# KiCad board mist.kicad_pcb (continued)
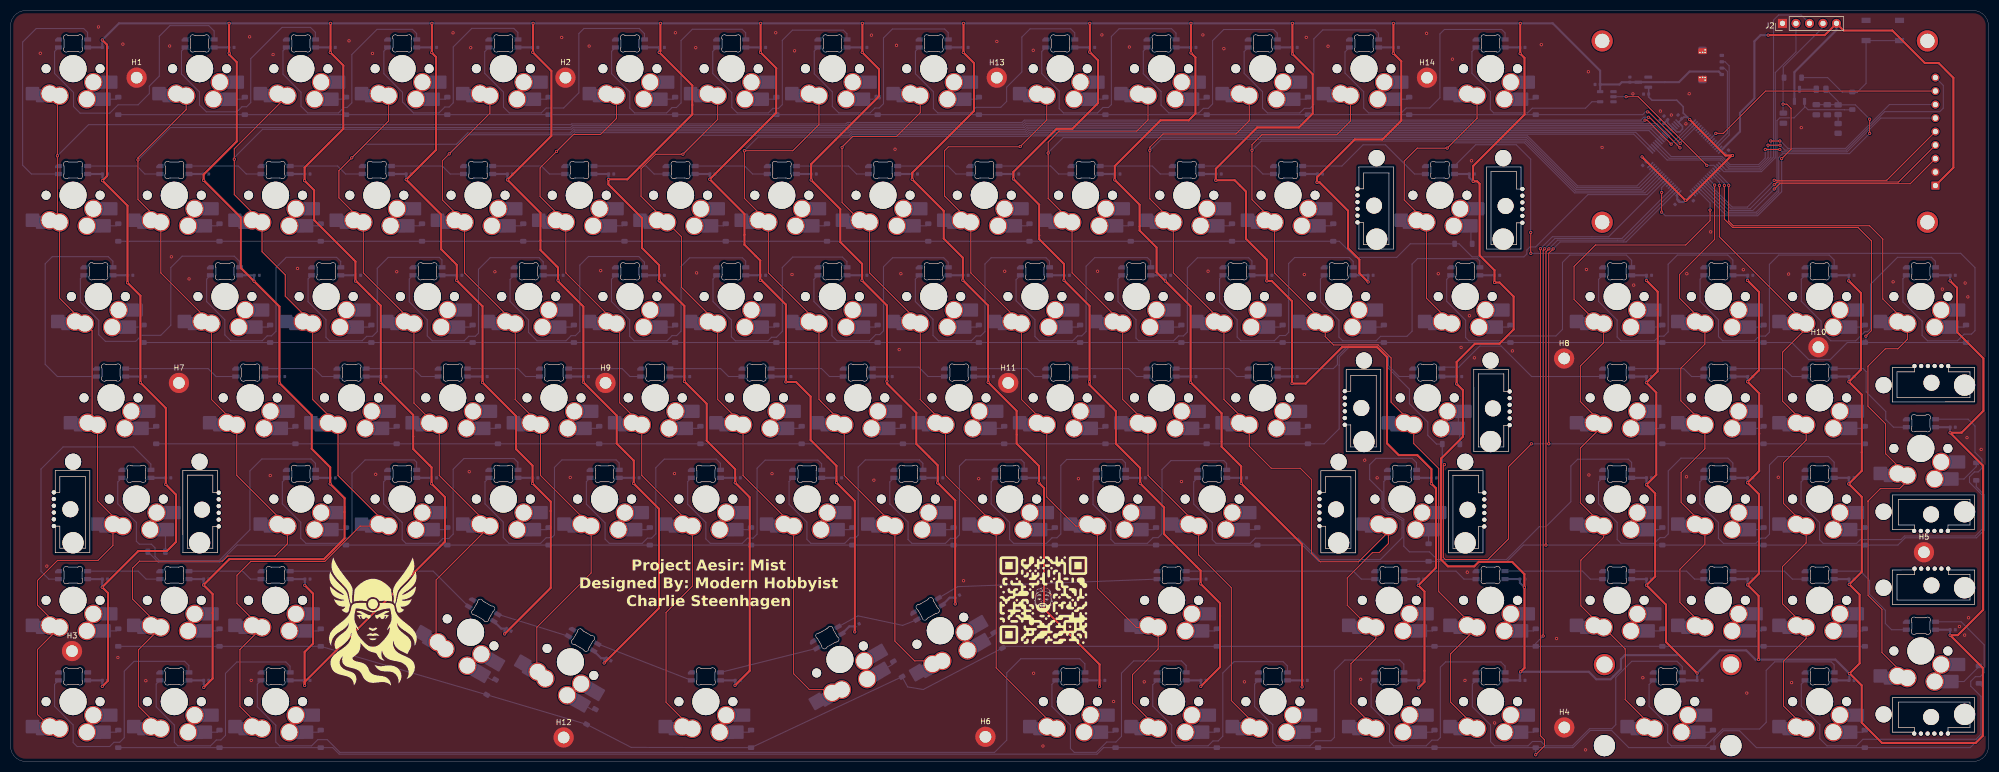
[diagram p0: board, top side]
## Placement (name value [footprint] x y rotation side) (continued)
LED93  choc_SK6812MINI-E  [LED_choc_6028R]  11.75 15.98 180 bottom
LED94  choc_SK6812MINI-E  [LED_choc_6028R]  30.8 15.98 180 bottom
LED95  choc_SK6812MINI-E  [LED_choc_6028R]  49.85 15.98 180 bottom
LED96  choc_SK6812MINI-E  [LED_choc_6028R]  199.39 15.98 180 bottom
LED97  choc_SK6812MINI-E  [LED_choc_6028R]  218.44 15.98 180 bottom
LED98  choc_SK6812MINI-E  [LED_choc_6028R]  237.49 15.98 180 bottom
LED99  choc_SK6812MINI-E  [LED_choc_6028R]  259.4 15.98 180 bottom
LED100  choc_SK6812MINI-E  [LED_choc_6028R]  278.45 15.98 180 bottom
LED101  choc_SK6812MINI-E  [LED_choc_6028R]  311.79 15.98 180 bottom
LED102  choc_SK6812MINI-E  [LED_choc_6028R]  340.36 15.98 180 bottom
LED103  choc_SK6812MINI-E  [LED_choc_6028R]  359.41 25.51 180 bottom
Q3  MMUN2133LT1G  [SOT-23-3]  336.57 125.29 90 bottom
R7  120  [R_0805_2012Metric]  340.64 126.42 0 bottom
R8  68k  [R_0805_2012Metric]  343.84 122.58 90 bottom
R9  68k  [R_0805_2012Metric]  343.84 119.06 270 bottom
RESET1  DFU  [SW_SPST_TL3342]  352.25 137.49 180 bottom
S1  MX_stab  [KS33_MX_STAB_COMBO]  266.54 68.39 0 top
S2  MX_stab  [KS33_MX_STAB_COMBO]  261.77 49.33 0 top
S3  MX_stab  [KS33_MX_STAB_COMBO]  23.65 49.35 0 top
S4  MX_stab  [KS33_MX_STAB_COMBO]  268.93 106.47 0 top
S5  MX_stab  [STAB_MX_P_2.75u]  311.78 11.22 0 top
S6  MX_stab  [KS33_MX_STAB_COMBO]  359.4 58.86 90 top
S7  MX_stab  [KS33_MX_STAB_COMBO]  359.41 20.75 90 top
U3  XC6206PxxxMR-Regulator_Linear  [SOT-23]  307.18 127.76 180 bottom
U4  -  [CR2013-MI2120]  362.15 108.31 180 top
U5  STM32G474RETx  [LQFP-64_10x10mm_P0.5mm]  315.16 113.52 45 bottom
U6  SN74AHCT1G125DBVR  [SOT95P280X145-5N]  300.32 125.03 180 bottom

## Library data of the parts
C1-C103 = -: Description: Unpolarized capacitor; ki_fp_filters: C_*
C104-C110 C112 C127 C128 = -: LCSC: C307331; ki_fp_filters: C_*
C120 C121 C130 = -: ki_fp_filters: C_*
CH1-CH103 = -: Description: Push button switch, normally open, two pins, 45° tilted
D1-D103 = -: Description: Diode; Sim.Pins: 1=K 2=A; ki_fp_filters: TO-???* *_Diode_* *SingleDiode* D_*
D110 D111 = -: ki_fp_filters: TO-???* *_Diode_* *SingleDiode* D_*
H1-H14 = -: Description: Mounting Hole with connection; ki_fp_filters: MountingHole*Pad*
J1 = -: Manufacturer: MOLEX; LCSC Part Number: C588524; ki_fp_filters: Connector*:*_1x??-1MP*
J2 = -: Description: Generic connector, single row, 01x05, script generated (kicad-library-utils/schlib/autogen/connector/); ki_fp_filters: Connector*:*_1x??_*
LED1-LED103 = -: Description: Reverse mount adressable LED (WS2812 protocol)
R7-R9 = -: ki_fp_filters: R_*
S1-S7 = -: Description: Cherry MX-style stabilizer
U3 = -: Datasheet: https://www.torexsemi.com/file/xc6206/XC6206.pdf; LCSC: C5446; ki_fp_filters: SOT?23*
U4 = -: Datasheet: http://pan.baidu.com/s/11Y990; Description: ILI9341 controller, SPI TFT LCD Display, 9-pin breakout PCB, 4-pin SD card interface, 5V/3.3V; ki_fp_filters: *CR2013*MI2120*
U5 = -: Datasheet: https://www.st.com/resource/en/datasheet/stm32g474re.pdf; Description: STMicroelectronics Arm Cortex-M4 MCU, 512KB flash, 128KB RAM, 170 MHz, 1.71-3.6V, 52 GPIO, LQFP64; ki_fp_filters: LQFP*10x10mm*P0.5mm*
U6 = -: MF: Texas Instruments; Description_1: Single 4.5-V to 5.5-V buffer with TTL-compatible CMOS inputs and 3-state outputs; Package: SOT-23-5 Texas Instruments; Price: None; SnapEDA_Link: https://www.snapeda.com/parts/SN74AHCT1G125DBVR/Texas+Instruments/view-part/?ref=snap; Availability: In Stock; Check_prices: https://www.snapeda.com/parts/SN74AHCT1G125DBVR/Texas+Instruments/view-part/?ref=eda

## Footprints (pads in the part's own frame, mm; a bottom-side part is the same pattern mirrored in y, then rotated)
C_0402_1005Metric
  rrect 0.56x0.62 smd: 1(-0.48,0) 2(0.48,0)
C_0805_2012Metric
  rrect 1x1.45 smd: 1(-0.95,0) 2(0.95,0)
CR2013-MI2120
  round 4 hole 2.7: (1.5,6.89) (1.5,-27.21) (62.7,6.89) (62.7,-27.21)
  rect 1.5x1.5 hole 1: 1(0,0)
  round 1.5 hole 1: 2(0,-2.54) 3(0,-5.08) 4(0,-7.62) 5(0,-10.16) 6(0,-12.7) 7(0,-15.24) 8(0,-17.78) 9(0,-20.32)
D_SOD-123
  rrect 0.9x1.2 smd: 1(-1.65,0) 2(1.65,0)
KS33_MX_STAB_COMBO
  round 0.787 hole 0.787 unplated: (-15.52,1.25) (-15.52,0) (-15.52,-1.27) (-15.52,-2.54) (-15.52,-3.81) (-15.52,-5.08) (15.509,1.19) (15.509,-0.06) (15.509,-1.33) (15.509,-2.6) (15.509,-3.87) (15.509,-5.14)
  round 3 hole 3 unplated: (-12.41,-1.93) (12.35,-2)
  round 3.048 hole 3.048 unplated: (-11.906,7.01) (11.906,7.01)
  round 3.988 hole 3.988 unplated: (-11.906,-8.23) (11.906,-8.23)
KS-33_MX-Hotswap-1U
  round 1.702 hole 1.702 unplated: (-5.08,0) (5.08,0)
  round 3.988 hole 3.988 unplated: (0,0)
  round 5.1 hole 5.1 unplated: (0.005,0.005)
  round 3.5 hole 3: 1(2.54,-5.08) 1(4.405,-4.695) 2(-3.81,-2.54) 2(-2.595,-5.745)
  custom 4.009x2.912 smd: 1(7.643,-4.695)
  custom 3.46x2.5 smd: 2(-7.085,-2.54)
  custom 3.433x2.565 smd: 2(-5.832,-5.745)
KS-33_MX-Hotswap-1U#2
  round 1.702 hole 1.702 unplated: (-5.08,0) (5.08,0)
  round 3.988 hole 3.988 unplated: (0,0)
  round 5.1 hole 5.1 unplated: (0.005,0.005)
  round 3.5 hole 3: 1(2.54,-5.08) 1(4.405,-4.695) 2(-3.81,-2.54) 2(-2.595,-5.745)
  custom 3.606x2.917 smd: 1(7.24,-4.69)
  custom 3.46x2.5 smd: 2(-7.085,-2.54)
  custom 3.433x2.565 smd: 2(-5.832,-5.745)
KS-33_MX-Hotswap-1U#3
  round 1.702 hole 1.702 unplated: (-5.08,0) (5.08,0)
  round 3.988 hole 3.988 unplated: (0,0)
  round 5.1 hole 5.1 unplated: (0.005,0.005)
  round 3.5 hole 3: 1(2.54,-5.08) 1(4.405,-4.695) 2(-3.81,-2.54) 2(-2.595,-5.745)
  custom 3.636x2.912 smd: 1(7.27,-4.695)
  custom 3.46x2.5 smd: 2(-7.085,-2.54)
  custom 3.433x2.565 smd: 2(-5.832,-5.745)
KS-33_MX-Hotswap-1U#4
  round 1.702 hole 1.702 unplated: (-5.08,0) (5.08,0)
  round 3.988 hole 3.988 unplated: (0,0)
  round 5.1 hole 5.1 unplated: (0.005,0.005)
  round 3.5 hole 3: 1(2.54,-5.08) 1(4.405,-4.695) 2(-3.81,-2.54) 2(-2.595,-5.745)
  custom 3.671x2.917 smd: 1(7.27,-4.69)
  custom 3.46x2.5 smd: 2(-7.085,-2.54)
  custom 3.433x2.565 smd: 2(-5.832,-5.745)
LED_choc_6028R
  rrect 1.35x0.82 smd: 1(-2.725,-0.75) 2(-2.725,0.75) 3(2.725,-0.75) 4(2.725,0.75)
LQFP-64_10x10mm_P0.5mm
  rrect 1.55x0.3 smd: 1(-5.675,3.75) 2(-5.675,3.25) 3(-5.675,2.75) 4(-5.675,2.25) 5(-5.675,1.75) 6(-5.675,1.25) 7(-5.675,0.75) 8(-5.675,0.25) 9(-5.675,-0.25) 10(-5.675,-0.75) 11(-5.675,-1.25) 12(-5.675,-1.75) 13(-5.675,-2.25) 14(-5.675,-2.75) 15(-5.675,-3.25) 16(-5.675,-3.75) 33(5.675,-3.75) 34(5.675,-3.25) 35(5.675,-2.75) 36(5.675,-2.25) 37(5.675,-1.75) 38(5.675,-1.25) 39(5.675,-0.75) 40(5.675,-0.25) 41(5.675,0.25) 42(5.675,0.75) 43(5.675,1.25) 44(5.675,1.75) 45(5.675,2.25) 46(5.675,2.75) 47(5.675,3.25) 48(5.675,3.75)
  rrect 0.3x1.55 smd: 17(-3.75,-5.675) 18(-3.25,-5.675) 19(-2.75,-5.675) 20(-2.25,-5.675) 21(-1.75,-5.675) 22(-1.25,-5.675) 23(-0.75,-5.675) 24(-0.25,-5.675) 25(0.25,-5.675) 26(0.75,-5.675) 27(1.25,-5.675) 28(1.75,-5.675) 29(2.25,-5.675) 30(2.75,-5.675) 31(3.25,-5.675) 32(3.75,-5.675) 49(3.75,5.675) 50(3.25,5.675) 51(2.75,5.675) 52(2.25,5.675) 53(1.75,5.675) 54(1.25,5.675) 55(0.75,5.675) 56(0.25,5.675) 57(-0.25,5.675) 58(-0.75,5.675) 59(-1.25,5.675) 60(-1.75,5.675) 61(-2.25,5.675) 62(-2.75,5.675) 63(-3.25,5.675) 64(-3.75,5.675)
Molex_Pico-EZmate_78171-0004_1x04-1MP_P1.20mm_Vertical
  rrect 0.6x0.85 smd: 1(-1.8,1.875) 2(-0.6,1.875) 3(0.6,1.875) 4(1.8,1.875)
  rrect 0.7x0.8 smd: MP(-2.95,-1.9) MP(2.95,-1.9)
  round 0.6 hole 0.3: MP(-2.85,-1.25) MP(-2.35,-2.25) MP(-2.35,-1.75) MP(-2.35,-1.25) MP(2.35,-2.25) MP(2.35,-1.75) MP(2.35,-1.25) MP(2.85,-1.25)
  rrect 1.4x1.6 smd: MP(-2.75,-1.75) MP(2.75,-1.75)
  rrect 1.1x1.6 smd far side: MP(-2.6,-1.75) MP(2.6,-1.75)
MountingHole_2.2mm_M2_DIN965_Pad
  round 3.8 hole 2.2: 1(0,0)
PinHeader_1x05_P2.54mm_Vertical
  rect 1.7x1.7 hole 1: 1(0,0)
  oval 1.7x1.7 hole 1: 2(0,-2.54) 3(0,-5.08) 4(0,-7.62) 5(0,-10.16)
R_0805_2012Metric
  rrect 1.025x1.4 smd: 1(-0.912,0) 2(0.912,0)
SOT95P280X145-5N
  rrect 1.21x0.59 smd: 1(-1.255,0.95) 2(-1.255,0) 3(-1.255,-0.95) 4(1.255,-0.95) 5(1.255,0.95)
SOT-23
  rrect 1.475x0.6 smd: 1(-0.938,0.95) 2(-0.938,-0.95) 3(0.938,0)
SOT-23-3
  rrect 1.325x0.6 smd: 1(-1.137,0.95) 2(-1.137,-0.95) 3(1.137,0)
STAB_MX_P_2.75u
  round 4 hole 3.048: (-11.906,6.985) (11.906,6.985)
  round 3.988 hole 3.988 unplated: (-11.906,-8.255) (11.906,-8.255)
SW_SPST_TL3342
  rect 1.7x1 smd: 1(-3.15,1.9) 1(3.15,1.9) 2(-3.15,-1.9) 2(3.15,-1.9)

## Nets
+3V3: C104.1 C105.1 C106.1 C107.1 C108.1 C109.1 C110.1 C128.1 J2.5 Q3.2 U3.2 U4.1 U5.1 U5.16 U5.28 U5.29 U5.32 U5.48 U5.64
+5V: C1.1 C2.1 C3.1 C4.1 C5.1 C6.1 C7.1 C8.1 C9.1 C10.1 C11.1 C12.1 C13.1 C14.1 C15.1 C16.1 C17.1 C18.1 C19.1 C20.1 C21.1 C22.1 C23.1 C24.1 C25.1 C26.1 C27.1 C28.1 C29.1 C30.1 C31.1 C32.1 C33.1 C34.1 C35.1 C36.1 C37.1 C38.1 C39.1 C40.1 C41.1 C42.1 C43.1 C44.1 C45.1 C46.1 C47.1 C48.1 C49.1 C50.1 C51.1 C52.1 C53.1 C54.1 C55.1 C56.1 C57.1 C58.1 C59.1 C60.1 C61.1 C62.1 C63.1 C64.1 C65.1 C66.1 C67.1 C68.1 C69.1 C70.1 C71.1 C72.1 C73.1 C74.1 C75.1 C76.1 C77.1 C78.1 C79.1 C80.1 C81.1 C82.1 C83.1 C84.1 C85.1 C86.1 C87.1 C88.1 C89.1 C90.1 C91.1 C92.1 C93.1 C94.1 C95.1 C96.1 C97.1 C98.1 C99.1 C100.1 C101.1 C102.1 C103.1 C112.1 C127.1 J1.1 LED1.1 LED2.1 LED3.1 LED4.1 LED5.1 LED6.1 LED7.1 LED8.1 LED9.1 LED10.1 LED11.1 LED12.1 LED13.1 LED14.1 LED15.1 LED16.1 LED17.1 LED18.1 LED19.1 LED20.1 LED21.1 LED22.1 LED23.1 LED24.1 LED25.1 LED26.1 LED27.1 LED28.1 LED29.1 LED30.1 LED31.1 LED32.1 LED33.1 LED34.1 LED35.1 LED36.1 LED37.1 LED38.1 LED39.1 LED40.1 LED41.1 LED42.1 LED43.1 LED44.1 LED45.1 LED46.1 LED47.1 LED48.1 LED49.1 LED50.1 LED51.1 LED52.1 LED53.1 LED54.1 LED55.1 LED56.1 LED57.1 LED58.1 LED59.1 LED60.1 LED61.1 LED62.1 LED63.1 LED64.1 LED65.1 LED66.1 LED67.1 LED68.1 LED69.1 LED70.1 LED71.1 LED72.1 LED73.1 LED74.1 LED75.1 LED76.1 LED77.1 LED78.1 LED79.1 LED80.1 LED81.1 LED82.1 LED83.1 LED84.1 LED85.1 LED86.1 LED87.1 LED88.1 LED89.1 LED90.1 LED91.1 LED92.1 LED93.1 LED94.1 LED95.1 LED96.1 LED97.1 LED98.1 LED99.1 LED100.1 LED101.1 LED102.1 LED103.1 U3.3 U6.5
GND: C1.2 C2.2 C3.2 C4.2 C5.2 C6.2 C7.2 C8.2 C9.2 C10.2 C11.2 C12.2 C13.2 C14.2 C15.2 C16.2 C17.2 C18.2 C19.2 C20.2 C21.2 C22.2 C23.2 C24.2 C25.2 C26.2 C27.2 C28.2 C29.2 C30.2 C31.2 C32.2 C33.2 C34.2 C35.2 C36.2 C37.2 C38.2 C39.2 C40.2 C41.2 C42.2 C43.2 C44.2 C45.2 C46.2 C47.2 C48.2 C49.2 C50.2 C51.2 C52.2 C53.2 C54.2 C55.2 C56.2 C57.2 C58.2 C59.2 C60.2 C61.2 C62.2 C63.2 C64.2 C65.2 C66.2 C67.2 C68.2 C69.2 C70.2 C71.2 C72.2 C73.2 C74.2 C75.2 C76.2 C77.2 C78.2 C79.2 C80.2 C81.2 C82.2 C83.2 C84.2 C85.2 C86.2 C87.2 C88.2 C89.2 C90.2 C91.2 C92.2 C93.2 C94.2 C95.2 C96.2 C97.2 C98.2 C99.2 C100.2 C101.2 C102.2 C103.2 C104.2 C105.2 C106.2 C107.2 C108.2 C109.2 C110.2 C112.2 C120.1 C121.1 C127.2 C128.2 C130.1 H1.1 H2.1 H3.1 H4.1 H5.1 H6.1 H7.1 H8.1 H9.1 H10.1 H11.1 H12.1 H13.1 H14.1 J1.4 J1.MP J2.1 LED1.4 LED2.4 LED3.4 LED4.4 LED5.4 LED6.4 LED7.4 LED8.4 LED9.4 LED10.4 LED11.4 LED12.4 LED13.4 LED14.4 LED15.4 LED16.4 LED17.4 LED18.4 LED19.4 LED20.4 LED21.4 LED22.4 LED23.4 LED24.4 LED25.4 LED26.4 LED27.4 LED28.4 LED29.4 LED30.4 LED31.4 LED32.4 LED33.4 LED34.4 LED35.4 LED36.4 LED37.4 LED38.4 LED39.4 LED40.4 LED41.4 LED42.4 LED43.4 LED44.4 LED45.4 LED46.4 LED47.4 LED48.4 LED49.4 LED50.4 LED51.4 LED52.4 LED53.4 LED54.4 LED55.4 LED56.4 LED57.4 LED58.4 LED59.4 LED60.4 LED61.4 LED62.4 LED63.4 LED64.4 LED65.4 LED66.4 LED67.4 LED68.4 LED69.4 LED70.4 LED71.4 LED72.4 LED73.4 LED74.4 LED75.4 LED76.4 LED77.4 LED78.4 LED79.4 LED80.4 LED81.4 LED82.4 LED83.4 LED84.4 LED85.4 LED86.4 LED87.4 LED88.4 LED89.4 LED90.4 LED91.4 LED92.4 LED93.4 LED94.4 LED95.4 LED96.4 LED97.4 LED98.4 LED99.4 LED100.4 LED101.4 LED102.4 LED103.4 R9.2 RESET1.1 U3.1 U4.2 U5.15 U5.27 U5.31 U5.47 U5.63 U6.1 U6.3
BOOT0: C120.2 C121.2 R7.2 R8.2 U5.61
BOOT0_CHRG: D110.2 Q3.1 U5.60
col0: CH1.1 CH15.1 CH29.1 CH47.1 CH63.1 CH79.1 CH93.1 U5.34
col1: CH2.1 CH16.1 CH30.1 CH48.1 CH64.1 CH80.1 CH94.1 U5.33
col2: CH3.1 CH17.1 CH31.1 CH49.1 CH65.1 CH81.1 CH95.1 U5.26
col3: CH4.1 CH18.1 CH32.1 CH50.1 CH66.1 CH82.1 U5.25
col4: CH5.1 CH19.1 CH33.1 CH51.1 CH67.1 CH83.1 U5.24
col5: CH6.1 CH20.1 CH34.1 CH52.1 CH68.1 CH84.1 U5.23
col6: CH7.1 CH21.1 CH35.1 CH53.1 CH69.1 CH85.1 U5.22
col7: CH8.1 CH22.1 CH36.1 CH54.1 CH70.1 CH86.1 U5.18
col8: CH9.1 CH23.1 CH37.1 CH55.1 CH71.1 CH96.1 U5.17
col9: CH10.1 CH24.1 CH38.1 CH56.1 CH72.1 CH87.1 CH97.1 U5.14
col10: CH11.1 CH25.1 CH39.1 CH57.1 CH73.1 CH98.1 U5.13
col11: CH12.1 CH26.1 CH40.1 CH58.1 CH74.1 CH88.1 CH99.1 U5.12
col12: CH13.1 CH27.1 CH41.1 CH59.1 CH89.1 CH100.1 U5.11
col13: CH14.1 CH28.1 CH42.1 U5.10
col14: CH43.1 CH60.1 CH75.1 CH90.1 CH101.1 U5.62
col15: CH44.1 CH61.1 CH76.1 CH91.1 U5.56
col16: CH45.1 CH62.1 CH77.1 CH92.1 CH102.1 U5.54
col17: CH46.1 CH78.1 CH103.1 U5.52
D+: J1.3 U5.46
D-: J1.2 U5.45
DOut1: LED1.2 LED15.3
DOut2: LED28.2 LED46.3
DOut3: LED29.2 LED47.3
DOut4: LED62.2 LED78.3
DOut5: LED63.2 LED79.3
DOut6: LED92.2 LED103.3
LCD_BL_PWM: U4.8 U5.42
LCD_CS: U4.3 U5.59
LCD_DC: U4.5 U5.57
LCD_MISO: U4.9 U5.20
LCD_MOSI: U4.6 U5.21
LCD_RST: U4.4 U5.58
LCD_SCK: U4.7 U5.19
NRST: C130.2 D111.2 J2.4 U5.7
RGB3.3: U5.51 U6.2
RGB5v: LED14.3 U6.4
row0: D1.1 D2.1 D3.1 D4.1 D5.1 D6.1 D7.1 D8.1 D9.1 D10.1 D11.1 D12.1 D13.1 D14.1 U5.35
row1: D15.1 D16.1 D17.1 D18.1 D19.1 D20.1 D21.1 D22.1 D23.1 D24.1 D25.1 D26.1 D27.1 D28.1 U5.9
row2: D29.1 D30.1 D31.1 D32.1 D33.1 D34.1 D35.1 D36.1 D37.1 D38.1 D39.1 D40.1 D41.1 D42.1 D43.1 D44.1 D45.1 D46.1 U5.53
row3: D47.1 D48.1 D49.1 D50.1 D51.1 D52.1 D53.1 D54.1 D55.1 D56.1 D57.1 D58.1 D59.1 D60.1 D61.1 D62.1 U5.2
row4: D63.1 D64.1 D65.1 D66.1 D67.1 D68.1 D69.1 D70.1 D71.1 D72.1 D73.1 D74.1 D75.1 D76.1 D77.1 D78.1 U5.3
row5: D79.1 D80.1 D81.1 D82.1 D83.1 D84.1 D85.1 D86.1 D87.1 D88.1 D89.1 D90.1 D91.1 D92.1 U5.4
row6: D93.1 D94.1 D95.1 D96.1 D97.1 D98.1 D99.1 D100.1 D101.1 D102.1 D103.1 U5.8
SWCLK: J2.2 U5.50
SWD: J2.3 U5.49
Net-(D1-A): CH1.2 D1.2
Net-(D2-A): CH2.2 D2.2
Net-(D3-A): CH3.2 D3.2
Net-(D4-A): CH4.2 D4.2
Net-(D5-A): CH5.2 D5.2
Net-(D6-A): CH6.2 D6.2
Net-(D7-A): CH7.2 D7.2
Net-(D8-A): CH8.2 D8.2
Net-(D9-A): CH9.2 D9.2
Net-(D10-A): CH10.2 D10.2
Net-(D11-A): CH11.2 D11.2
Net-(D12-A): CH12.2 D12.2
Net-(D13-A): CH13.2 D13.2
Net-(D14-A): CH14.2 D14.2
Net-(D15-A): CH15.2 D15.2
Net-(D16-A): CH16.2 D16.2
Net-(D17-A): CH17.2 D17.2
Net-(D18-A): CH18.2 D18.2
Net-(D19-A): CH19.2 D19.2
Net-(D20-A): CH20.2 D20.2
Net-(D21-A): CH21.2 D21.2
Net-(D22-A): CH22.2 D22.2
Net-(D23-A): CH23.2 D23.2
Net-(D24-A): CH24.2 D24.2
Net-(D25-A): CH25.2 D25.2
Net-(D26-A): CH26.2 D26.2
Net-(D27-A): CH27.2 D27.2
Net-(D28-A): CH28.2 D28.2
Net-(D29-A): CH29.2 D29.2
Net-(D30-A): CH30.2 D30.2
Net-(D31-A): CH31.2 D31.2
Net-(D32-A): CH32.2 D32.2
Net-(D33-A): CH33.2 D33.2
Net-(D34-A): CH34.2 D34.2
Net-(D35-A): CH35.2 D35.2
Net-(D36-A): CH36.2 D36.2
Net-(D37-A): CH37.2 D37.2
Net-(D38-A): CH38.2 D38.2
Net-(D39-A): CH39.2 D39.2
Net-(D40-A): CH40.2 D40.2
Net-(D41-A): CH41.2 D41.2
Net-(D42-A): CH42.2 D42.2
Net-(D43-A): CH43.2 D43.2
Net-(D44-A): CH44.2 D44.2
Net-(D45-A): CH45.2 D45.2
Net-(D46-A): CH46.2 D46.2
Net-(D47-A): CH47.2 D47.2
Net-(D48-A): CH48.2 D48.2
Net-(D49-A): CH49.2 D49.2
Net-(D50-A): CH50.2 D50.2
Net-(D51-A): CH51.2 D51.2
Net-(D52-A): CH52.2 D52.2
Net-(D53-A): CH53.2 D53.2
Net-(D54-A): CH54.2 D54.2
Net-(D55-A): CH55.2 D55.2
Net-(D56-A): CH56.2 D56.2
Net-(D57-A): CH57.2 D57.2
Net-(D58-A): CH58.2 D58.2
Net-(D59-A): CH59.2 D59.2
Net-(D60-A): CH60.2 D60.2
Net-(D61-A): CH61.2 D61.2
Net-(D62-A): CH62.2 D62.2
Net-(D63-A): CH63.2 D63.2
Net-(D64-A): CH64.2 D64.2
Net-(D65-A): CH65.2 D65.2
Net-(D66-A): CH66.2 D66.2
Net-(D67-A): CH67.2 D67.2
Net-(D68-A): CH68.2 D68.2
Net-(D69-A): CH69.2 D69.2
Net-(D70-A): CH70.2 D70.2
Net-(D71-A): CH71.2 D71.2
Net-(D72-A): CH72.2 D72.2
Net-(D73-A): CH73.2 D73.2
Net-(D74-A): CH74.2 D74.2
Net-(D75-A): CH75.2 D75.2
Net-(D76-A): CH76.2 D76.2
Net-(D77-A): CH77.2 D77.2
Net-(D78-A): CH78.2 D78.2
Net-(D79-A): CH79.2 D79.2
Net-(D80-A): CH80.2 D80.2
Net-(D81-A): CH81.2 D81.2
Net-(D82-A): CH82.2 D82.2
Net-(D83-A): CH83.2 D83.2
Net-(D84-A): CH84.2 D84.2
Net-(D85-A): CH85.2 D85.2
Net-(D86-A): CH86.2 D86.2
Net-(D87-A): CH87.2 D87.2
Net-(D88-A): CH88.2 D88.2
Net-(D89-A): CH89.2 D89.2
Net-(D90-A): CH90.2 D90.2
Net-(D91-A): CH91.2 D91.2
Net-(D92-A): CH92.2 D92.2
Net-(D93-A): CH93.2 D93.2
Net-(D94-A): CH94.2 D94.2
Net-(D95-A): CH95.2 D95.2
Net-(D96-A): CH96.2 D96.2
Net-(D97-A): CH97.2 D97.2
Net-(D98-A): CH98.2 D98.2
Net-(D99-A): CH99.2 D99.2
Net-(D100-A): CH100.2 D100.2
Net-(D101-A): CH101.2 D101.2
Net-(D102-A): CH102.2 D102.2
Net-(D103-A): CH103.2 D103.2
Net-(D110-K): D110.1 D111.1 RESET1.2
Net-(LED1-DIN): LED1.3 LED2.2
Net-(LED2-DIN): LED2.3 LED3.2
Net-(LED3-DIN): LED3.3 LED4.2
Net-(LED4-DIN): LED4.3 LED5.2
Net-(LED5-DIN): LED5.3 LED6.2
Net-(LED6-DIN): LED6.3 LED7.2
Net-(LED7-DIN): LED7.3 LED8.2
Net-(LED8-DIN): LED8.3 LED9.2
Net-(LED10-DIN): LED10.3 LED11.2
Net-(LED10-DOUT): LED9.3 LED10.2
Net-(LED11-DIN): LED11.3 LED12.2
Net-(LED12-DIN): LED12.3 LED13.2
Net-(LED13-DIN): LED13.3 LED14.2
Net-(LED15-DOUT): LED15.2 LED16.3
Net-(LED16-DOUT): LED16.2 LED17.3
Net-(LED17-DOUT): LED17.2 LED18.3
Net-(LED18-DOUT): LED18.2 LED19.3
Net-(LED19-DOUT): LED19.2 LED20.3
Net-(LED20-DOUT): LED20.2 LED21.3
Net-(LED21-DOUT): LED21.2 LED22.3
Net-(LED22-DOUT): LED22.2 LED23.3
Net-(LED23-DOUT): LED23.2 LED24.3
Net-(LED24-DOUT): LED24.2 LED25.3
Net-(LED25-DOUT): LED25.2 LED26.3
Net-(LED26-DOUT): LED26.2 LED27.3
Net-(LED27-DOUT): LED27.2 LED28.3
Net-(LED29-DIN): LED29.3 LED30.2
Net-(LED30-DIN): LED30.3 LED31.2
Net-(LED31-DIN): LED31.3 LED32.2
Net-(LED32-DIN): LED32.3 LED33.2
Net-(LED33-DIN): LED33.3 LED34.2
Net-(LED34-DIN): LED34.3 LED35.2
Net-(LED35-DIN): LED35.3 LED36.2
Net-(LED36-DIN): LED36.3 LED37.2
Net-(LED37-DIN): LED37.3 LED38.2
Net-(LED38-DIN): LED38.3 LED39.2
Net-(LED39-DIN): LED39.3 LED40.2
Net-(LED40-DIN): LED40.3 LED41.2
Net-(LED41-DIN): LED41.3 LED42.2
Net-(LED42-DIN): LED42.3 LED43.2
Net-(LED43-DIN): LED43.3 LED44.2
Net-(LED44-DIN): LED44.3 LED45.2
Net-(LED45-DIN): LED45.3 LED46.2
Net-(LED47-DOUT): LED47.2 LED48.3
Net-(LED48-DOUT): LED48.2 LED49.3
Net-(LED49-DOUT): LED49.2 LED50.3
Net-(LED50-DOUT): LED50.2 LED51.3
Net-(LED51-DOUT): LED51.2 LED52.3
Net-(LED52-DOUT): LED52.2 LED53.3
Net-(LED53-DOUT): LED53.2 LED54.3
Net-(LED54-DOUT): LED54.2 LED55.3
Net-(LED55-DOUT): LED55.2 LED56.3
Net-(LED56-DOUT): LED56.2 LED57.3
Net-(LED57-DOUT): LED57.2 LED58.3
Net-(LED58-DOUT): LED58.2 LED59.3
Net-(LED59-DOUT): LED59.2 LED60.3
Net-(LED60-DOUT): LED60.2 LED61.3
Net-(LED61-DOUT): LED61.2 LED62.3
Net-(LED63-DIN): LED63.3 LED64.2
Net-(LED64-DIN): LED64.3 LED65.2
Net-(LED65-DIN): LED65.3 LED66.2
Net-(LED66-DIN): LED66.3 LED67.2
Net-(LED67-DIN): LED67.3 LED68.2
Net-(LED68-DIN): LED68.3 LED69.2
Net-(LED69-DIN): LED69.3 LED70.2
Net-(LED70-DIN): LED70.3 LED71.2
Net-(LED71-DIN): LED71.3 LED72.2
Net-(LED72-DIN): LED72.3 LED73.2
Net-(LED73-DIN): LED73.3 LED74.2
Net-(LED74-DIN): LED74.3 LED75.2
Net-(LED75-DIN): LED75.3 LED76.2
Net-(LED76-DIN): LED76.3 LED77.2
Net-(LED77-DIN): LED77.3 LED78.2
Net-(LED79-DOUT): LED79.2 LED80.3
Net-(LED80-DOUT): LED80.2 LED81.3
Net-(LED81-DOUT): LED81.2 LED82.3
Net-(LED82-DOUT): LED82.2 LED83.3
Net-(LED83-DOUT): LED83.2 LED84.3
Net-(LED84-DOUT): LED84.2 LED85.3
Net-(LED85-DOUT): LED85.2 LED86.3
Net-(LED86-DOUT): LED86.2 LED87.3
Net-(LED87-DOUT): LED87.2 LED88.3
Net-(LED88-DOUT): LED88.2 LED89.3
Net-(LED89-DOUT): LED89.2 LED90.3
Net-(LED90-DOUT): LED90.2 LED91.3
Net-(LED91-DOUT): LED91.2 LED92.3
Net-(LED93-DIN): LED93.3 LED94.2
Net-(LED94-DIN): LED94.3 LED95.2
Net-(LED95-DIN): LED95.3 LED96.2
Net-(LED96-DIN): LED96.3 LED97.2
Net-(LED97-DIN): LED97.3 LED98.2
Net-(LED98-DIN): LED98.3 LED99.2
Net-(LED100-DIN): LED100.3 LED101.2
Net-(LED100-DOUT): LED99.3 LED100.2
Net-(LED101-DIN): LED101.3 LED102.2
Net-(LED102-DIN): LED102.3 LED103.2
Net-(Q3-C): Q3.3 R7.1
Net-(R8-Pad1): R8.1 R9.1

Pads without a net: LED93 2; U5 5 6 30 36 37 38 39 40 41 43 44 55

## Via types
v1: diameter 0.6, hole 0.3, Top to Bottom, 287 vias

## Routing (per net, layer and track width the routed paths; a pad name or vN(x,y) marks a point on that pad's centre or on a via; arc(x,y) is an arc through that point)
+3V3: length 174.4
  Top w0.4: v1(315.91,120.74) 316.72,119.93 316.72,119.89 322.64,113.97 v1(323.97,113.97) 323.8,113.97 315.38,105.55 v1(315.11,105.55) 315.1,105.55 306.95,113.7 v1(306.95,113.71) ; U4.1 365.53,111.69 365.53,128.58 362.74,131.37 360.15,131.37 354.04,137.48 344.87,137.48 J2.5 341.32,136.61 v1(330.68,136.61)
  Bottom w0.3: U5.29 311.76,120.1 C106.1 C107.1 311.15,120.01 U5.28 U5.29 ; U5.29 313.46,118.41 314.05,118.41 314.56,118.92 314.56,119.44 313.81,120.19 U5.32 314.8,121.19 315.46,121.19 v1(315.91,120.74) 314.7,121.95 314.7,123.15 313.48,124.37 308.81,124.37 308.2,124.98 C128.1 308.2,126.73 U3.2
  Bottom w0.4: v1(330.68,136.61) 329.25,136.61 328.09,135.45 328.09,124.7 325.38,121.99 325.38,118.47 321.82,114.92 U5.48 322.74,113.97 v1(323.97,113.97) ; U5.1 313.57,106.63 313.57,105.71 C110.1 314.06,105.22 314.78,105.22 v1(315.11,105.55) 315.21,105.55 U5.64 ; v1(306.95,113.71) 306.95,113.71 U5.16 ; J2.5 343.53,137.57 335.62,129.66 Q3.2
+5V: length 3165.2
  Top w0.4: v1(60.19,138.83) 60.19,133.41 v1(60.14,133.36) 62.6,130.9 62.6,118.99 55.31,111.7 v1(55.31,109.24) 57.11,107.44 57.11,101.81 64.88,94.04 v1(64.88,90.35) 65.02,90.35 69.63,85.74 v1(69.63,71.29) 75.75,65.17 75.75,58.76 79.2,55.31 v1(79.2,52.22) 81.72,49.7 81.72,41.34 55.32,14.94 v1(55.32,14.28) 55.32,20.58 56.91,22.17 56.91,31.55 v1(55.35,33.11) ; v1(223.93,14.11) 227.56,17.74 227.56,29.73 v1(223.89,33.4) 223.89,35.88 217.03,42.74 217.03,47.77 v1(212.52,52.28) 212.52,55.19 207.95,59.76 207.95,65.86 203,70.81 v1(203,71.41) 203,85.67 v1(198.19,90.48) 198.19,93.57 193.53,98.23 193.53,104.7 v1(188.67,109.56) 188.67,110.87 196.8,119 199.77,119 204.61,123.84 204.61,131.85 v1(203.04,133.42) 203.05,133.43 v1(203.05,138.83) ; v1(284.04,138.83) 284.04,133.18 v1(284.01,133.15) 284.83,132.32 284.83,121.65 275.17,111.99 v1(275.17,109.11) 275.93,109.11 276.39,108.65 276.39,95.19 279.19,92.39 279.19,90.1 v1(279.21,90.08) 280.15,90.08 282.79,87.44 282.79,81.24 280.13,78.58 280.13,78.57 275.51,78.57 272.07,75.13 v1(272.07,71) 272.08,71 273.24,69.84 273.24,61.07 269.14,56.97 269.14,37.96 270.42,36.68 275.38,36.68 276.23,37.53 282.52,37.53 284.82,35.23 v1(284.82,32.74) 284.83,32.72 284.83,17.57 v1(284.11,16.85) ; v1(317.31,16.6) 311.46,22.45 311.46,29.47 v1(307.78,33.15) 309.42,34.79 309.42,50.39 v1(307.78,52.03) 309.63,53.88 309.63,69.36 v1(307.76,71.23) 309.89,73.36 309.89,88.34 v1(307.78,90.45) ; v1(204.88,14.11) 204.88,18.25 194.44,28.69 194.44,51.43 v1(193.48,52.39) 193.48,55.57 189.28,59.77 189.28,65.93 v1(183.92,71.29) 183.92,85.75 v1(179.16,90.51) 179.16,94.74 175.56,98.34 175.56,103.55 v1(169.63,109.48) 169.63,110.71 181.26,122.34 181.26,131.34 v1(179.25,133.35) 179.28,133.38 v1(179.28,138.83) ; v1(242.99,14.01) 242.99,40.82 v1(231.53,52.28) 231.53,55.5 227.84,59.19 227.84,65.48 v1(222.01,71.31) 222.01,85.61 v1(217.27,90.35) 215.61,92.01 215.61,96.67 212.42,99.86 212.42,104.7 v1(207.74,109.38) 207.74,111.98 216.34,120.58 221.65,120.58 222.92,121.85 222.92,132.42 v1(222.08,133.27) v1(222.08,138.83) ; v1(111.67,18.5) 122,28.83 122,47.5 v1(117.24,52.26) 117.24,56.58 114.03,59.79 114.03,65.06 v1(107.76,71.33) 107.76,85.55 102.99,90.32 v1(102.99,90.49) 102.99,92.88 99.69,96.18 99.69,103.17 v1(93.47,109.39) 101.74,117.66 101.74,129.88 v1(98.24,133.38) 98.3,133.44 v1(98.3,138.83) ; v1(122.26,138.83) 122.26,133.62 v1(122.02,133.38) 128.26,127.14 128.26,121.71 116.02,109.48 v1(112.47,109.48) 112.47,108.53 118.78,102.22 118.78,96.58 122.03,93.33 v1(122.03,90.4) 126.77,85.66 v1(126.77,71.46) 130.96,67.27 130.96,60.33 136.33,54.96 v1(136.33,52.41) 139.05,49.69 139.05,17.05 v1(136.29,14.29) ; v1(160.26,138.83) 160.26,133.4 v1(160.22,133.36) 163.38,130.2 163.38,125.1 150.62,112.34 v1(150.62,109.37) 156.1,103.89 156.1,97.7 160.21,93.59 160.21,90.49 v1(160.18,90.46) 164.88,85.76 v1(164.88,71.49) 164.88,71.09 170.41,65.56 170.41,59.71 174.43,55.69 v1(174.43,52.37) 177.73,49.07 v1(177.73,29.61) ; v1(41.11,138.83) 41.11,133.22 v1(41.12,133.21) 41.12,132.96 42.54,131.54 42.54,116.62 36.31,110.39 v1(36.31,109.3) 43.29,102.31 43.29,92.82 v1(45.81,90.31) 50.57,85.55 v1(50.57,71.17) 56.64,65.1 56.64,58.79 60.12,55.31 v1(60.12,52.21) 62.83,49.5 62.83,41.93 58.93,38.04 41.15,38.04 v1(36.29,33.18) 38.01,31.46 38.01,15.58 v1(36.34,13.91) ; v1(158.82,24.35) 158.82,24.35 158.82,48.98 v1(155.38,52.43) 155.38,55.59 150.52,60.45 150.52,68.63 147.78,71.37 v1(145.87,71.37) 145.87,85.92 141.3,90.49 v1(141.04,90.49) 141.04,94.21 138.07,97.18 138.07,102.97 v1(131.54,109.5) 144.05,122.01 144.05,130.41 v1(141.08,133.38) 141.11,133.41 v1(141.11,138.83) ; v1(17.25,14.11) 18.33,15.19 18.33,31.67 v1(17.23,32.77) 24.03,39.57 29.39,39.57 31.12,41.3 31.12,50.17 v1(29.2,52.09) 29.2,66.45 v1(24.42,71.23) 24.42,87.59 v1(21.99,90.02) 21.99,104.53 v1(17.28,109.24) 18.13,110.09 18.13,134.81 v1(17.25,135.7) ; v1(92.94,23.97) 101.62,32.65 101.62,48.86 v1(98.2,52.28) 98.2,55.63 95.11,58.72 95.11,64.94 v1(88.79,71.26) 88.79,85.61 v1(83.94,90.46) 83.94,93.4 81.01,96.33 81.01,102.84 v1(74.43,109.42) 80.05,115.04 80.05,132.5 v1(79.23,133.32) 79.26,133.35 v1(79.26,138.83) ; v1(255.42,90.18) 253.77,91.83 253.77,94.38 251.64,96.51 251.64,103.58 246.3,108.92 v1(245.79,108.92) 245.79,109.87 252.9,116.98 258.1,116.98 261.65,120.53 261.65,131.71 v1(260.15,133.21) 260.17,133.23 v1(260.17,138.83) ; v1(326.79,90.47) 328.97,88.29 328.97,73.58 v1(326.8,71.41) 329,69.21 329,54.62 v1(326.79,52.41) 328.94,50.26 328.94,35.32 v1(326.81,33.19) 328.88,31.12 v1(328.88,19.15) ; v1(364.91,90.4) 366.23,89.08 366.23,80.75 371.17,75.81 371.17,65.93 367.07,61.83 v1(364.9,61.83) 371.12,55.61 371.12,28.5 366.35,23.74 v1(364.9,23.74) 371.06,17.58 371.06,4.81 369.72,3.47 352.09,3.47 348.27,7.28 348.27,14.3 346.07,16.51 v1(345.96,16.51) 347.89,18.44 347.89,31.35 345.95,33.29 v1(345.93,33.29) 348.29,35.65 348.29,49.75 v1(345.84,52.2) 348.29,54.65 348.29,68.98 v1(345.86,71.41) 348.14,73.69 348.14,88.09 v1(345.84,90.39) ; v1(241.17,138.83) v1(241.17,133.07) 244.98,129.26 244.98,121.84 242.38,119.24 234.52,119.24 226.75,111.47 v1(226.75,109.31) 230.31,109.31 232.43,107.19 232.43,98.3 236.35,94.38 v1(236.35,90.38) 237.27,90.38 241.09,86.56 v1(241.09,71.07) 243.68,71.07 250.52,77.91 257.1,77.91 258.95,76.06 258.95,59.81 261.17,57.6 264.67,57.6 267.31,54.96 v1(267.31,52.23) 268.17,51.37 268.17,36.41 v1(264.86,33.11) 266.02,31.95 266.02,14.95 v1(264.91,13.84)
  Bottom w0.2: 311.23,127.77 311.22,127.76 ; 311.22,127.76 311.24,127.78 ; 299.06,127.32 C112.1
  Bottom w0.4: LED97.1 C97.1 223.93,15.2 v1(223.93,14.11) ; LED54.1 C54.1 164.88,72.36 v1(164.88,71.49) ; LED74.1 C74.1 267.31,53.33 v1(267.31,52.23) ; LED20.1 C20.1 112.47,110.43 v1(112.47,109.48) ; LED76.1 C76.1 326.79,53.29 v1(326.79,52.41) ; U6.5 299.06,127.32 ; v1(204.88,14.11) 204.88,15.2 C96.1 LED96.1 ; LED45.1 C45.1 345.84,91.39 v1(345.84,90.39) ; LED39.1 C39.1 217.27,91.41 v1(217.27,90.35) ; v1(64.88,90.35) 64.88,91.42 C31.1 LED31.1 ; LED94.1 C94.1 36.34,15.21 v1(36.34,13.91) ; 147.82,110.48 C22.1 v1(150.62,109.37) ; LED93.1 C93.1 17.25,15.21 v1(17.25,14.11) ; LED99.1 C99.1 264.91,15.22 v1(264.91,13.84) ; v1(17.28,109.24) 17.28,110.47 C15.1 LED15.1 ; v1(272.07,71) 272.07,72.38 C59.1 LED59.1 ; v1(36.29,33.18) 36.29,34.25 C80.1 LED80.1 ; LED103.1 C103.1 364.9,24.73 v1(364.9,23.74) ; v1(364.91,90.4) 364.91,91.41 C46.1 LED46.1 ; v1(122.03,90.4) 122.03,91.42 C34.1 LED34.1 ; v1(245.79,108.92) 245.79,110.4 C27.1 LED27.1 ; LED69.1 C69.1 155.38,53.33 v1(155.38,52.43) ; v1(107.76,71.33) 107.76,72.38 C51.1 LED51.1 ; LED24.1 C24.1 188.67,110.43 v1(188.67,109.56) ; LED73.1 C73.1 231.53,53.28 v1(231.53,52.28) ; v1(284.82,32.74) 283.97,33.59 C89.1 281.17,34.28 ; v1(122.02,133.38) 122.02,134.27 C6.1 LED6.1 ; v1(126.77,71.46) 126.77,72.35 C52.1 LED52.1 ; LED55.1 C55.1 183.92,72.35 v1(183.92,71.29) ; v1(317.31,16.6) 313.92,19.99 303.74,19.99 302.98,19.23 302.98,17.39 301.58,15.99 301.58,15.99 301.04,15.45 298.34,15.45 296.94,16.85 v1(284.11,16.85) 283.97,16.71 C100.1 281.17,15.23 ; v1(317.31,16.6) 321.59,20.88 326.55,20.88 328.28,19.15 v1(328.88,19.15) 343.32,19.15 v1(345.96,16.51) 345.96,15.31 C102.1 LED102.1 ; v1(317.31,16.6) 317.31,15.24 C101.1 LED101.1 ; LED67.1 C67.1 117.24,53.29 v1(117.24,52.26) ; LED70.1 C70.1 174.43,53.33 v1(174.43,52.37) ; v1(60.12,52.21) 60.12,53.32 C64.1 LED64.1 ; LED91.1 C91.1 326.81,34.26 v1(326.81,33.19) ; v1(223.89,33.4) 223.89,34.21 C87.1 LED87.1 ; v1(284.01,133.15) 284.01,134.26 C14.1 281.17,134.3 ; v1(345.84,52.2) 345.84,53.29 C77.1 LED77.1 ; v1(98.2,52.28) 98.2,53.3 C66.1 LED66.1 ; LED90.1 C90.1 307.78,34.28 v1(307.78,33.15) ; LED85.1 157.8,25.39 C85.1 158.82,25.39 v1(158.82,24.35) ; v1(169.63,109.48) 169.63,110.44 C23.1 LED23.1 ; LED9.1 179.19,134.3 179.25,134.24 v1(179.25,133.35) ; LED42.1 C42.1 279.21,91.43 v1(279.21,90.08) ; LED40.1 C40.1 236.35,91.43 v1(236.35,90.38) ; v1(260.15,133.21) 260.15,134.29 C13.1 LED13.1 ; v1(160.18,90.46) 160.18,91.4 C36.1 LED36.1 ; v1(207.74,109.38) 207.74,110.45 C25.1 LED25.1 ; LED32.1 C32.1 83.94,91.43 v1(83.94,90.46) ; v1(45.81,90.31) 45.81,91.4 C30.1 LED30.1 ; v1(21.99,90.02) 21.99,91.39 C29.1 LED29.1 ; LED44.1 C44.1 326.79,91.39 v1(326.79,90.47) ; v1(179.16,90.51) 179.16,91.4 179.19,91.43 LED37.1 ; v1(242.99,14.01) 242.99,15.21 C98.1 LED98.1 ; LED57.1 C57.1 222.01,72.34 v1(222.01,71.31) ; LED81.1 C81.1 55.35,34.26 v1(55.35,33.11) ; v1(79.23,133.32) 79.23,134.25 C4.1 LED4.1 ; v1(92.94,23.97) 92.94,24.59 C82.1 92.3,24.97 LED82.1 ; v1(226.75,109.31) 226.75,110.41 C26.1 LED26.1 ; LED3.1 C3.1 60.14,134.29 v1(60.14,133.36) ; v1(98.24,133.38) 98.24,134.29 C5.1 LED5.1 ; v1(345.93,33.29) 345.93,34.24 C92.1 LED92.1 ; LED53.1 C53.1 145.87,72.37 v1(145.87,71.37) ; LED12.1 C12.1 241.17,134.23 v1(241.17,133.07) ; LED60.1 C60.1 307.76,72.36 v1(307.76,71.23) ; v1(222.08,133.27) 222.08,134.27 C11.1 LED11.1 ; v1(212.52,52.28) 212.52,53.32 C72.1 LED72.1 ; LED2.1 C2.1 41.12,134.26 v1(41.12,133.21) ; LED95.1 C95.1 55.32,15.18 v1(55.32,14.28) ; v1(136.29,14.29) 136.29,15.19 C84.1 LED84.1 ; v1(136.33,52.41) 136.33,53.33 C68.1 LED68.1 ; LED86.1 176.68,30.79 C86.1 177.73,30.77 v1(177.73,29.61) ; LED56.1 C56.1 203,72.38 v1(203,71.41) ; LED28.1 274.44,110.48 274.44,109.83 v1(275.17,109.11) ; v1(29.2,52.09) 29.2,53.31 C63.1 LED63.1 ; LED10.1 C10.1 203.04,134.26 v1(203.04,133.42) ; v1(307.78,90.45) 307.78,91.43 C43.1 LED43.1 ; LED61.1 C61.1 326.8,72.35 v1(326.8,71.41) ; LED18.1 C18.1 74.43,110.47 v1(74.43,109.42) ; v1(198.19,90.48) 198.19,91.38 C38.1 LED38.1 ; LED58.1 C58.1 241.09,72.37 v1(241.09,71.07) ; LED78.1 C78.1 364.9,62.83 v1(364.9,61.83) ; LED21.1 C21.1 131.54,110.45 v1(131.54,109.5) ; LED62.1 C62.1 345.86,72.36 v1(345.86,71.41) ; v1(141.08,133.38) 141.08,134.28 141.09,134.3 LED7.1 ; v1(55.31,109.24) 55.31,110.42 C17.1 LED17.1 ; v1(160.22,133.36) 160.22,134.22 C8.1 LED8.1 ; v1(17.23,32.77) 17.23,34.24 C79.1 LED79.1 ; v1(88.79,71.26) 88.79,72.3 C50.1 LED50.1 ; LED19.1 C19.1 v1(93.47,109.39) ; LED41.1 C41.1 255.42,91.41 v1(255.42,90.18) ; v1(141.04,90.49) 141.04,91.38 141.09,91.43 LED35.1 ; LED33.1 C33.1 102.99,91.43 v1(102.99,90.49) ; v1(36.31,109.3) 36.31,110.47 C16.1 LED16.1 ; LED48.1 C48.1 50.57,72.35 v1(50.57,71.17) ; LED75.1 C75.1 307.78,53.33 v1(307.78,52.03) ; LED49.1 C49.1 69.63,72.36 v1(69.63,71.29) ; LED1.1 C1.1 17.25,134.32 v1(17.25,135.7) 20.38,138.83 v1(41.11,138.83) v1(60.19,138.83) v1(79.26,138.83) v1(98.3,138.83) v1(122.26,138.83) v1(141.11,138.83) v1(160.26,138.83) v1(179.28,138.83) v1(203.05,138.83) v1(222.08,138.83) v1(241.17,138.83) v1(260.17,138.83) v1(284.04,138.83) 290.15,138.83 299.07,129.91 C112.1 302.71,127.33 303.14,127.76 C127.1 304.66,127.76 U3.3 306.25,127.77 313.9,127.77 315.89,129.76 321.39,129.76 J1.1 ; LED88.1 C88.1 264.86,34.22 v1(264.86,33.11) ; v1(111.67,18.5) 111.67,18.97 C83.1 111.08,19.41 LED83.1 ; v1(79.2,52.22) 79.2,53.32 C65.1 LED65.1 ; LED71.1 C71.1 193.48,53.33 v1(193.48,52.39) ; v1(24.42,71.23) 24.42,72.38 C47.1 LED47.1
